# Altium PCB PCB Udemy.PcbDoc (continued)
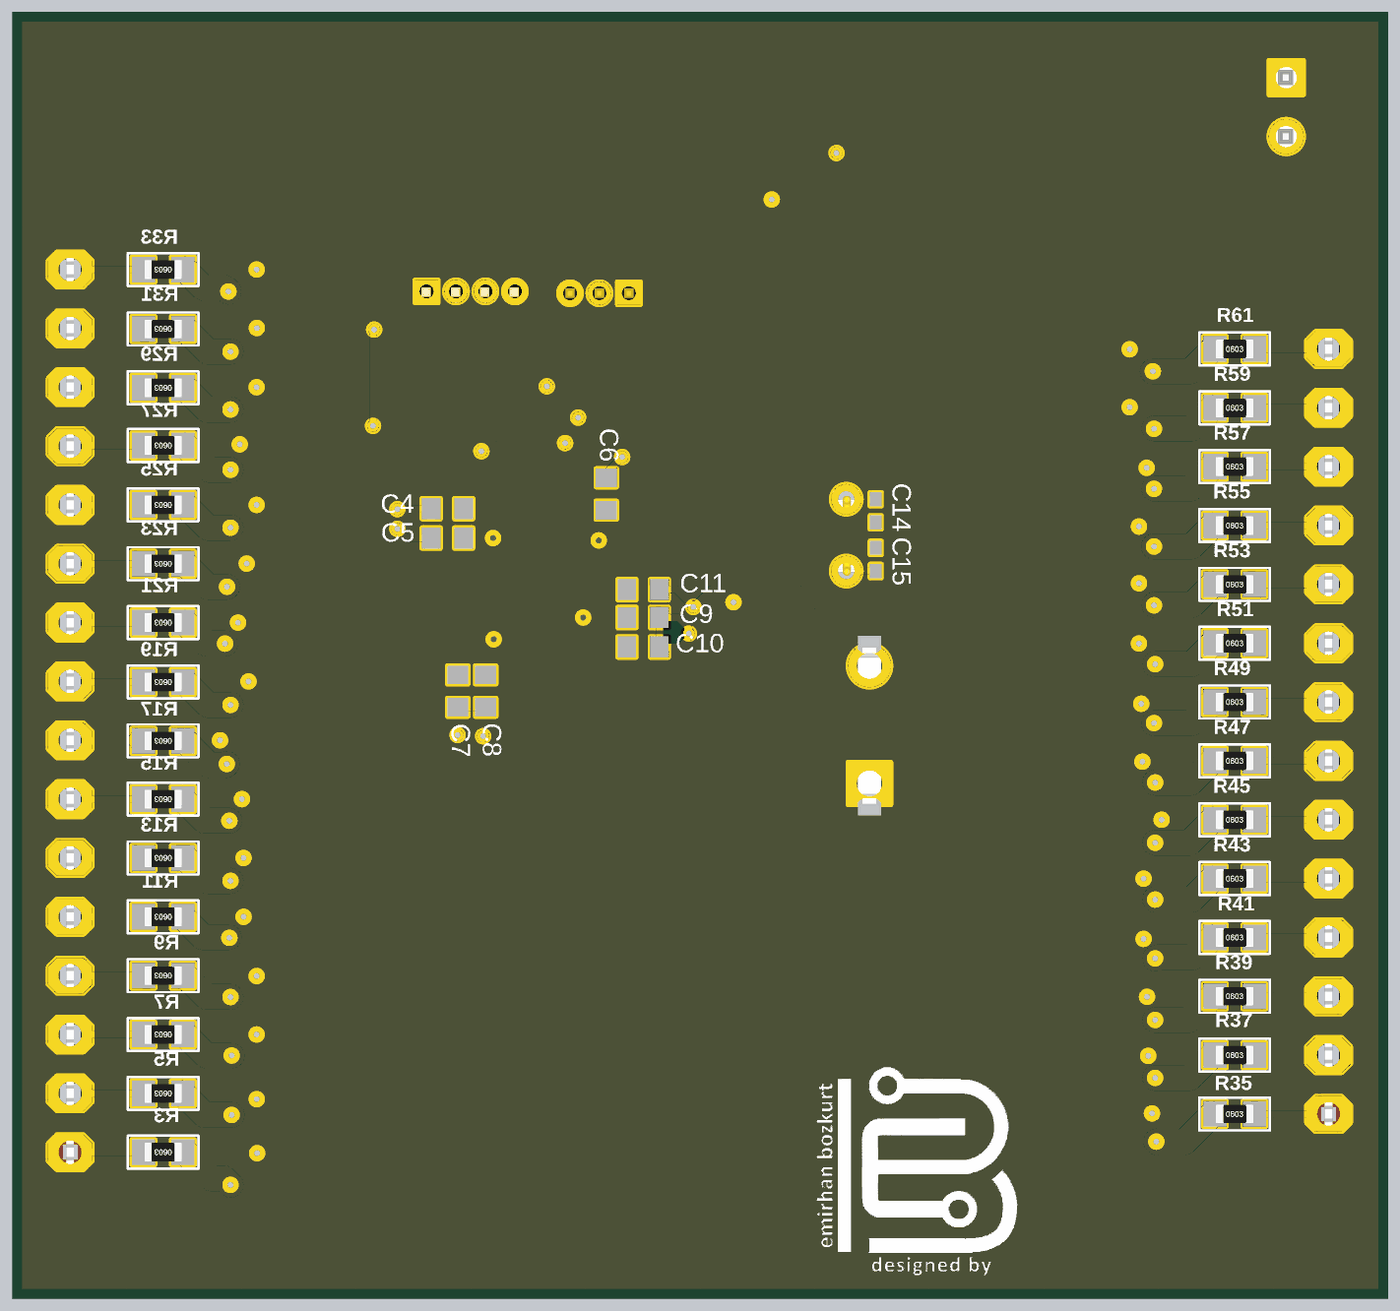
[diagram p5: 3D render of the assembled board from below, using the file's embedded part models]

## Layer stack, top to bottom
Top Solder: solder mask 0.4, Solder Resist, Dk 3.5
Top Layer: signal copper 1.4
Dielectric 2: prepreg 2.8, PP-006, Dk 4.1
Layer 1: signal copper 1.378
Dielectric5: dielectric 12.6, FR-4, Dk 4.8
Layer 2: signal copper 1.378
Dielectric4: dielectric 12.6, FR-4, Dk 4.8
GND Layer: plane copper 1.378, net GND
Dielectric 1: dielectric 12.6, FR-4, Dk 4.8
3.3V Layer: plane copper 1.378, net +3.3V
Dielectric 3: prepreg 2.8, PP-006, Dk 4.1
Bottom Layer: signal copper 1.4
Bottom Solder: solder mask 0.4, Solder Resist, Dk 3.5

## Board outline
0,233 0,2420 2337,2420 2337,233

## Design rules (kind name [scope] priority, off if disabled: settings)
Clearance Clearance_3 [InNamedPolygon('GND_L01_P005')] p1: gap=20 ignorepadtopadclearanceinfootprint=FALSE except(0: Arc-Hole Track-Hole SMDPad-Hole THPad-Hole Via-Hole Fill-Hole Poly-Hole Region-Hole Text-Hole)
Clearance Clearance_2 [InNamedPolygon('top')] p2: gap=10 ignorepadtopadclearanceinfootprint=FALSE except(0: Arc-Hole Track-Hole SMDPad-Hole THPad-Hole Via-Hole Fill-Hole Poly-Hole Region-Hole Text-Hole)
Clearance Clearance_1 [InNamedPolygon('top')] p3: gap=20 ignorepadtopadclearanceinfootprint=FALSE except(0: Arc-Hole Track-Hole SMDPad-Hole THPad-Hole Via-Hole Fill-Hole Poly-Hole Region-Hole Text-Hole)
Clearance [All] p4: gap=0.2 ignorepadtopadclearanceinfootprint=FALSE except(0: Arc-Hole Track-Hole SMDPad-Hole THPad-Hole Via-Hole Fill-Hole Poly-Hole Region-Hole Text-Hole)
ComponentClearance Ignore [InComponent('U2')] p1: gap=10 collisioncheckmode=3 verticalgap=0 showdistances=FALSE donotcheckwithout3dbody=TRUE
ComponentClearance ComponentClearance_1 [All] p2: gap=10 collisioncheckmode=3 verticalgap=10 showdistances=FALSE
MinimumSolderMaskSliver [All] p1: minsoldermaskwidth=0
PlaneClearance [All] p1: clearance=20
PlaneConnect [All] p1: planeconnectstyle=Direct reliefexpansion=20 reliefentries=4 reliefconductorwidth=10 reliefairgap=10
PolygonConnect [All] p1: connectstyle=Direct reliefconductorwidth=10 reliefentries=4 polygonreliefangle="90 Angle" airgapwidth=10
RoutingVias [All] p1: holewidth=10 width=20 viastyle="Through Hole" minholewidth=10 minwidth=20 maxholewidth=28 maxwidth=50
SilkToSilkClearance [All] p1: silktosilkclearance=0
SilkToSolderMaskClearance [IsPad] p1: minsilkscreentomaskgap=0 clearancetoexposedcopper=TRUE
SolderMaskExpansion [All] p1: expansion=4 istentingtop=FALSE
UnConnectedPin [All] p1 off:
Width [All] p1: maxlimit=43 minlimit=10 preferedwidth=10
24 further rules are at their usual default settings.

## Classes and differential pairs
component class "MCU Udemy": C4 C5 C6 C7 C8 C9 C10 C11 C12 C13 C14 C15 P2 P3 P4 P5 R1 R3 R4 R5 R6 R7 R8 R9 R10 R11 R12 R13 R14 R15 R16 R17 R18 R19 R20 R21 R22 R23 R24 R25 R26 R27 R28 R29 R30 R31 R32 R33 R34 R35 R36 R37 R38 R39 R40 R41 R42 R43 R44 R45 R46 R47 R48 R49 R50 R51 R52 R53 R54 R55 R56 R57 R58 R59 R60 R61 R62 S1 U2 Y Y1
component class "Power Supply Udemy": C1 C2 C3 D1 P1 R2 U1

## Components (designator, comment, footprint, x,y, rotation, side; value= is the part's Value field where it differs from the comment)
C1 "tantalum cap" C1206tancap 346,2261.15 r270 top value=100nF
C2 "tantalum cap" C1206tancap 436,2261.15 r270 top value=10uF
C3 "tantalum cap" C1206tancap 526,2261.15 r270 top value=100uF
C4 "Cap Semi_1" 1608[0603] 1597.98,1575.62 r0 bottom value=100nF
C5 "Cap Semi" 1608[0603] 1597.98,1525.62 r0 bottom value=100nF
C6 "Cap Semi" 1608[0603] 1328.13,1600.52 r90 bottom value=100nF
C7 "Cap Semi" 1608[0603] 1580.42,1265.62 r270 bottom value=100nF
C8 "Cap Semi" 1608[0603] 1532.98,1265.62 r270 bottom value=4.7uF
C9 "Cap Semi" 1608[0603] 1265.42,1390.62 r180 bottom value=10nF
C10 "Cap Semi" 1608[0603] 1265.42,1340.62 r180 bottom value=1uF
C11 "Cap Semi" 1608[0603] 1265.42,1438.06 r180 bottom value=100nF
C12 "Cap Semi" 0402 1061.17,1210.62 r180 top value=10pF
C13 "Cap Semi" 0402 1029.67,1433.06 r180 top value=10pF
C14 "Cap Semi" 0402 870.42,1571.96 r90 bottom value=10pF
C15 "Cap Semi" 0402 870.42,1489.28 r270 bottom value=10pF
D1 "LED" MY_LED_0805 1083,2184 r0 top
P1 "Battery Connection 9V" HDR1X2H3dbody 173,2308 r270 top
P2 "MHDR1X4" MHDR1X4body 1633.46,1944.88 r180 top
P3 "MHDR1X3" MHDR1X3body 1289.76,1941.7 r0 top
P4 "Header 16" MY_FE16 2239,1232 r90 top
P5 "Header 14" MY_FE14 101,1197 r90 top
R1 "Res3" J1-0603 1110.38,1168.18 r0 top value=10K
R2 "330R" MY_0805 1083,2284 r0 top
R3 "1K" MY_0603 2081,482 r0 bottom
R4 "1K" MY_0603 2081,480 r180 top
R5 "1K" MY_0603 2081,582 r0 bottom
R6 "1K" MY_0603 2081,582 r180 top
R7 "1K" MY_0603 2081,682 r0 bottom
R8 "1K" MY_0603 2081,682 r180 top
R9 "1K" MY_0603 2081,782 r0 bottom
R10 "1K" MY_0603 2081,782 r180 top
R11 "1K" MY_0603 2081,882 r0 bottom
R12 "1K" MY_0603 2081,882 r180 top
R13 "1K" MY_0603 2081,982 r0 bottom
R14 "1K" MY_0603 2081,982 r180 top
R15 "1K" MY_0603 2081,1082 r0 bottom
R16 "1K" MY_0603 2081,1082 r180 top
R17 "1K" MY_0603 2081,1181 r0 bottom
R18 "1K" MY_0603 2081,1182 r180 top
R19 "1K" MY_0603 2081,1281 r0 bottom
R20 "1K" MY_0603 2081,1282 r180 top
R21 "1K" MY_0603 2081,1382 r0 bottom
R22 "1K" MY_0603 2081,1382 r180 top
R23 "1K" MY_0603 2081,1482 r0 bottom
R24 "1K" MY_0603 2081,1482 r180 top
R25 "1K" MY_0603 2081,1582 r0 bottom
R26 "1K" MY_0603 2081,1582 r180 top
R27 "1K" MY_0603 2081,1683 r0 bottom
R28 "1K" MY_0603 2081,1683 r180 top
R29 "1K" MY_0603 2081,1781 r0 bottom
R30 "1K" MY_0603 2081,1782 r180 top
R31 "1K" MY_0603 2081,1881 r0 bottom
R32 "1K" MY_0603 2081,1882 r180 top
R33 "1K" MY_0603 2081,1982 r0 bottom
R34 "1K" MY_0603 2081,1982 r180 top
R35 "1K" MY_0603 260.6,547 r180 bottom
R36 "1K" MY_0603 262,548 r0 top
R37 "1K" MY_0603 260.6,647 r180 bottom
R38 "1K" MY_0603 260.6,647 r0 top
R39 "1K" MY_0603 260.6,747 r180 bottom
R40 "1K" MY_0603 260.6,747 r0 top
R41 "1K" MY_0603 260.6,847 r180 bottom
R42 "1K" MY_0603 260.6,847 r0 top
R43 "1K" MY_0603 260.6,947 r180 bottom
R44 "1K" MY_0603 260.6,947 r0 top
R45 "1K" MY_0603 260.6,1047 r180 bottom
R46 "1K" MY_0603 260.6,1047 r0 top
R47 "1K" MY_0603 260.6,1147 r180 bottom
R48 "1K" MY_0603 260.6,1147 r0 top
R49 "1K" MY_0603 260.6,1247 r180 bottom
R50 "1K" MY_0603 260.6,1247 r0 top
R51 "1K" MY_0603 260.6,1347 r180 bottom
R52 "1K" MY_0603 260.6,1347 r0 top
R53 "1K" MY_0603 260.6,1447 r180 bottom
R54 "1K" MY_0603 260.6,1447 r0 top
R55 "1K" MY_0603 260.6,1547 r180 bottom
R56 "1K" MY_0603 260.6,1547 r0 top
R57 "1K" MY_0603 260.6,1647 r180 bottom
R58 "1K" MY_0603 260.6,1645 r0 top
R59 "1K" MY_0603 260.6,1747 r180 bottom
R60 "1K" MY_0603 260.6,1747 r0 top
R61 "1K" MY_0603 260.6,1847 r180 bottom
R62 "1K" MY_0603 260.6,1847 r0 top
S1 "SW-PB" SPST-2_body 880.98,1208.62 r90 top
U1 "LM1117" LM1117 621.65,2181 r270 top
U2 "STM32F103C8T6" STM-LQFP48_N 1429.84,1430.63 r0 top
Y "ECS-80-12-33-JGN-TR" 8MHZCrystall 1045.42,1325.62 r90 top
Y1 "XTAL" 32768 920.42,1530.62 r0 top

## Footprints (in the part's own frame and the unit in brackets; to place one, negate y for a bottom-side part, rotate by r counter-clockwise, add the part's x,y. Pads: shape width x height; smd on the part's side, far side on the other; paste and mask are expansions set on the pad)
8MHZCrystall [mm]
  rect 1.3x1.1 smd: 1(-1.15,-0.9) 2(1.15,-0.9) 3(1.15,0.9) 4(-1.15,0.9)
  silkscreen extent -2.45,-1.7 0.27,1.25, body extent -0.95,-0.8 1.05,0.8, height 0.49
0402 [mm]
  rect 0.6x0.5 smd: 1(-0.5,0) 2(0.5,0)
  body extent -0.55,-0.3 0.55,0.3, height 1.3
1608[0603] [mm]
  rect 0.8x0.9 smd: 1(-0.7,0) 2(0.7,0)
  body extent -0.87,-0.48 0.87,0.48, height 1.3
32768 [mm]
  round 1.3 hole 0.7: 1(0,1.55) 2(0,-1.55)
  silkscreen extent -1.55,-1.19 1.55,1.17, body extent -1.63,-1.75 1.57,1.7, height 9.54
C1206tancap [mm]
  rect 1.1x1.7 smd: 1(-1.35,0) 2(1.35,0)
  silkscreen extent -0.4,-0.75 0.4,0.75, body extent -1.7,-0.9 1.7,0.9, height 1.8
HDR1X2H3dbody [mm]
  rect 1.5x1.5 hole 0.9: 1(0,0)
  round 1.5 hole 0.9: 2(2.54,0)
  silkscreen extent -1.27,-2.54 3.81,-1.27, body extent -1.27,-3.23 3.81,3.12, height 11.19
J1-0603 [mm]
  rect 0.7x0.9 smd: 1(-0.75,0) 2(0.75,0)
  silkscreen extent -0.2,-0.35 0.2,0.35, body extent -0.85,-0.48 0.85,0.48, height 0.9
LM1117 [mm]
  rect 0.95x2.15 smd: 0(2.3,0) 1(-2.3,0) 2(0,0)
  rect 3.25x2.15 smd: 2(0,5.8)
  silkscreen extent -3.35,1.05 3.35,4.75, body extent -3.25,-0.63 3.25,6.37, height 1.61
MHDR1X3body [mm]
  rect 1x1 hole 0.6: 1(0,0)
  round 1 hole 0.6: 2(1.27,0) 3(2.54,0)
  silkscreen extent -0.9,-0.9 3.44,0.9, body extent -0.64,-1.2 3.17,1.2, height 5
MHDR1X4body [mm]
  rect 1x1 hole 0.6: 1(0,0)
  round 1 hole 0.6: 2(1.27,0) 3(2.54,0) 4(3.81,0)
  silkscreen extent -0.9,-0.9 4.71,0.9, body extent -0.66,-1.22 4.42,1.28, height 4.61
MY_0603 [mm]
  rect 1x1.1 smd: 1(-0.85,0) 2(0.85,0)
  silkscreen extent -1.52,-0.71 1.52,0.71, body extent -0.8,-0.4 0.8,0.4, height 0.44
MY_0805 [mm]
  rect 1.3x1.6 smd: 1(-0.95,0) 2(0.95,0)
  silkscreen extent -1.8,-1.02 1.8,1.02, body extent -1,-0.62 1,0.63, height 0.59
MY_FE14 [mil]
  oct 60x75 hole 39.37: 1(-650,0) 2(-550,0) 3(-450,0) 4(-350,0) 5(-250,0) 6(-150,0) 7(-50,0) 8(50,0) 9(150,0) 10(250,0) 11(350,0) 12(450,0) 13(550,0) 14(650,0)
  silkscreen extent -700,-50 700,50, body extent -705,-49 705,49, height 335
MY_FE16 [mil]
  oct 60x75 hole 39.37: 1(-750,0) 2(-650,0) 3(-550,0) 4(-450,0) 5(-350,0) 6(-250,0) 7(-150,0) 8(-50,0) 9(50,0) 10(150,0) 11(250,0) 12(350,0) 13(450,0) 14(550,0) 15(650,0) 16(750,0)
  silkscreen extent -800,-50 800,50, body extent -805,-49 805,49, height 335
MY_LED_0805 [mm]
  rect 1.3x1.6 smd: A(0.95,-0.076) K(-0.95,-0.076)
  silkscreen extent -2.31,-1.09 1.8,0.94, body extent -1.06,-0.48 1.01,0.42, height 0.86
SPST-2_body [mm]
  rect 1.85x1.85 hole 1.1: 1(-2.54,0)
  round 1.85 hole 1.1: 2(2.54,0)
  silkscreen extent -4.89,-1.27 4.28,1.27, body extent -3.93,-1.75 3.83,1.75, height 5.25
STM-LQFP48_N [mm]
  oval 1.8x0.3 smd: 1(-4.05,2.75) 2(-4.05,2.25) 3(-4.05,1.75) 4(-4.05,1.25) 5(-4.05,0.75) 6(-4.05,0.25) 7(-4.05,-0.25) 8(-4.05,-0.75) 9(-4.05,-1.25) 10(-4.05,-1.75) 11(-4.05,-2.25) 12(-4.05,-2.75) 25(4.05,-2.75) 26(4.05,-2.25) 27(4.05,-1.75) 28(4.05,-1.25) 29(4.05,-0.75) 30(4.05,-0.25) 31(4.05,0.25) 32(4.05,0.75) 33(4.05,1.25) 34(4.05,1.75) 35(4.05,2.25) 36(4.05,2.75)
  oval 0.3x1.8 smd: 13(-2.75,-4.05) 14(-2.25,-4.05) 15(-1.75,-4.05) 16(-1.25,-4.05) 17(-0.75,-4.05) 18(-0.25,-4.05) 19(0.25,-4.05) 20(0.75,-4.05) 21(1.25,-4.05) 22(1.75,-4.05) 23(2.25,-4.05) 24(2.75,-4.05) 37(2.75,4.05) 38(2.25,4.05) 39(1.75,4.05) 40(1.25,4.05) 41(0.75,4.05) 42(0.25,4.05) 43(-0.25,4.05) 44(-0.75,4.05) 45(-1.25,4.05) 46(-1.75,4.05) 47(-2.25,4.05) 48(-2.75,4.05)
  silkscreen extent -4.17,-2.75 2.75,3.57, body extent -4.5,-4.49 4.5,4.51, height 1.56

## Part data
C1 C2 C3: library part "Cap Semi_6", "Capacitor (Semiconductor SIM Model)", LatestRevisionDate=29-May-2009, LatestRevisionNote="IPC-7351 Footprint Added.", PackageDescription="Chip Capacitor", PackageReference=C1206, Published=8-Jun-2000, Publisher="Altium Limited"
C4 C5 C6 C7 C8 C9 C10 C11 C12 C13 C14 C15: "Capacitor (Semiconductor SIM Model)", LatestRevisionDate=29-May-2009, LatestRevisionNote="IPC-7351 Footprint Added.", PackageDescription="Chip Capacitor", PackageReference=C1206, Published=8-Jun-2000, Publisher="Altium Limited"
D1: "Typical INFRARED GaAs LED", ASiD Part Number=LED-AS
P1: library part "Header 2H", "Header, 2-Pin, Right Angle", Voltage=9V, LatestRevisionDate=17-Jul-2002, LatestRevisionNote="Re-released for DXP Platform.", Publisher="Altium Limited"
P2: "Header, 4-Pin", LatestRevisionDate=17-Jul-2002, LatestRevisionNote="Re-released for DXP Platform.", Publisher="Altium Limited"
P3: "Header, 3-Pin", LatestRevisionDate=17-Jul-2002, LatestRevisionNote="Re-released for DXP Platform.", Publisher="Altium Limited"
P4: "Header, 16-Pin", ASiD Part Number="Header 16-AS"
P5: "Header, 14-Pin", ASiD Part Number="Header 14-AS"
R1: "Resistor", LatestRevisionDate=29-May-2009, LatestRevisionNote="IPC-7351 Footprint Added.", PackageDescription="Chip Resistor", PackageReference=J1-0603, Published=8-Jun-2000, Publisher="Altium Limited"
R2 R3 R4 R5 R6 R7 R8 R9 R10 R11 R12 R13 R14 R15 R16 R17 R18 R19 R20 R21 R22 R23 R24 R25 R26 R27 R28 R29 R30 R31 R32 R33 R34 R35 R36 R37 R38 R39 R40 R41 R42 R43 R44 R45 R46 R47 R48 R49 R50 R51 R52 R53 R54 R55 R56 R57 R58 R59 R60 R61 R62: library part Res, "Standard resistor", ASiD Part Number=Res-AS
S1: "Switch", LatestRevisionDate=17-Jul-2002, LatestRevisionNote="Re-released for DXP Platform.", PackageDescription="Switch; 2 Leads", PackageReference=SPST-2, Published=24-Mar-1999, Publisher="Altium Limited"
U1: "The LM1117 is a low dropout voltage regulator with a / dropout of 1.2 V at 800 mA of load current. / The LM1117 is available in an adjustable version, / which can set the output voltage from 1.25 V to 13.8 V / with only two external resistors. In addition, the device / is available in five fixed voltages, 1.8 V, 2.5 V, 3.3 V, / and 5 V. / The LM1117 offers current limiting and thermal / shutdown. The circuit includes a Zener trimmed bandgap reference to assure output voltage accuracy to / within ±1%. / A minimum of 10-µF tantalum capacitor is required / at the output to improve the transient response and / stability.", ComponentLink1Description=datasheet, ComponentLink1URL=https://www.ti.com/lit/ds/symlink/lm1117.pdf?ts=1693661767040&ref_url=https%253A%252F%252Fwww.ti.com%252Fproduct%252FLM1117%253Futm_source%253Dgoogle%2526utm_medium%253Dcpc%2526utm_campaign%253Dapp-null-null-GPN_EN-cpc-pf-google-wwe%2526utm_content%253DLM1117%2526ds_k%253DLM1117%2BDatasheet%2526DCM%253Dyes%2526gclid%253DCj0KCQjwusunBhCYARIsAFBsUP-EfZQ_4w22SCOHjBNPWV0Us_SkAtT2YC_2xqzBz3rUpggmxNL9StEaAur4EALw_wcB%2526gclsrc%253Daw.ds
U2: "ARM Cortex-M3 32-bit MCU, 64 KB Flash, 20 KB Internal RAM, 37 I/Os, 48-pin LQFP, -40 to 85 degC, Tray", Operating Frequency(F) (Processor speed) (MHz)=72, Supplier Part Number 1=497-6063-ND, Supply Voltage(Vcc) min (V)=2, I/Os (High Current)=37, A/D Converter="2x12-bit (10 Channel)", ComponentLink1Description="Manufacturer URL", ComponentLink1URL=http://www.st.com/web/en/home.html, ComponentLink2Description=Datasheet, ComponentLink2URL=http://www.st.com/st-web-ui/static/active/en/resource/technical/document/datasheet/CD00161566.pdf, ComponentLink3Description="Package Specification", ComponentLink3URL=http://www.st.com/st-web-ui/static/active/en/resource/technical/document/datasheet/DM00058181.pdf, Core="ARM Cortex-M3", DatasheetVersion="Rev. 16", FLASH Size (Prog) (kB)=64, Mounting Technology="Surface Mount", PackageDescription="48-Pin Low Profile Quad Flat Package, 7 x 7 mm Body, 0.5 mm Pitch", PackageReference=LQFP48, PackageVersion="Rev. 6, 06/2013", Packing=Tray, PartNumber=STM32F103C8T6, Supplier 1=Digi-Key, Supplier 2=Farnell, Supplier 3=Newark, Supplier 4=Newark, Supplier 5=Mouser, Supplier Part Number 2=1447637, Supplier Part Number 3=59M2182, Supplier Part Number 4=57P1222, Supplier Part Number 5=511-STM32F103C8T6, Internal RAM Size (kB)=20
Y: "8MHz Â±20ppm Crystal 12pF 400 Ohms 4-SMD, No Lead", Package="SMD-4 ECS International", Availability=Warning, BuyPart=https://www.snapeda.com/parts/ECS-80-12-33-JGN-TR/ECS%20Inc./view-part/4477300/?ref=eda, MF="ECS Inc.", Mouser-Purchase-URL=https://snapeda.com/shop?store=Mouser&id=4477300, MP=ECS-80-12-33-JGN-TR, Price=None, SnapEDA_Link=https://www.snapeda.com/parts/ECS-80-12-33-JGN-TR/ECS%20Inc./view-part/4477300/?ref=snap
Y1: "Crystal Oscillator", LatestRevisionDate=17-Jul-2002, LatestRevisionNote="Re-released for DXP Platform.", PackageDescription="Crystal, Thru-Hole; 2 Leads; Body 3.1 x 8.2 mm (Dia.xH)", PackageReference=R38, Published=8-Jun-2000, Publisher="Altium Limited"

## Via types
v1: diameter 20, hole 10, Top Layer to Bottom Layer, 80 vias

## Nets (pads, with @x,y where several pads share a name; then routed paths per layer and width w, separated by ;. In a path a pad name is that pad's centre, name@x,y a point inside that pad or via, vN(x,y) a via of type N, cw(c..) or ccw(c..) an arc to the next point about the centre after c; other vN are vias at no path point)
"32kHz 01": C14.2 U2.3 Y1.1 | length 438.1
  Top Layer w11.81: Y1.1 1046.44,1591.65 1138.57,1499.52 U2.3
  Bottom Layer w11.81: C14.2 Y1.1
"32kHz 02": C15.2 U2.4 Y1.2 | length 513.2
  Top Layer w11.81: Y1.2 920.42,1523.69 969.91,1573.18 1039.72,1573.18 1133.06,1479.83 U2.4
  Bottom Layer w11.81: C15.2 Y1.2
+3.3V: C3.2 C4.2 C5.2 C6.2 C7.2 C8.2 C9.2 C10.2 P2.1 P3.1 R2.1 R3.1 R5.1 R7.1 R9.1 R11.1 R13.1 R15.1 R17.1 R19.1 R21.1 R23.1 R25.1 R27.1 R29.1 R31.1 R33.1 R35.1 R37.1 R39.1 R41.1 R43.1 R45.1 R47.1 R49.1 R51.1 R53.1 R55.1 R57.1 R59.1 R61.1 U1.2 U2.9 U2.24 U2.36 U2.48 | length 4530.3
  Top Layer w11.81: v1(1187.78,1363.41) 1205.79,1381.42 U2.9 ; v1(1301.18,1663.39) 1321.57,1642.99 U2.48 ; v1(1537.4,1188.98) 1538.11,1189.68 U2.24 ; U2.36 1680.63,1538.9 v1(1683.07,1541.34)
  Top Layer w37.4: C3.2 553,2181 621.65,2181 U1.2@850,2181
  Top Layer w43: U1.2@850,2181 936,2181 v1(937,2180) 937,2248 973,2284 R2.1
  Bottom Layer w11.81: v1(1187.78,1363.41) v1@1188.98,1363.41 ; v1(1301.18,1663.39) 1328.13,1636.43 C6.2 ; C8.2 C7.2 1580.42,1191.24 v1(1580.71,1190.94) ; v1(1683.07,1541.34) 1667.35,1525.62 C5.2 C4.2 1682.25,1575.62 v1(1683.07,1574.8) ; v1@1188.98,1363.41 1188.98,1374.02 1205.58,1390.62 C9.2 C10.2 1202.68,1340.62 1188.98,1354.33 v1@1188.98,1363.41
  Bottom Layer w43: R35.1@298,547 346,499 392.7,499 v1(393.7,500) ; R37.1@298,647 336.73,608.27 v1(395.67,608.27) ; R39.1@298,747 338.31,706.69 v1(395.67,706.69) ; R41.1@298,847 332.01,812.99 391.48,812.99 393.16,811.31 v1(395.67,811.31) ; R43.1@298,947 333.68,911.31 v1(395.67,911.31) ; R45.1@298,1047 337.13,1007.87 v1(395.67,1007.87) ; R47.1@298,1147 334.76,1110.24 v1(395.67,1110.24) ; R49.1@298,1247 333.68,1211.31 v1(397.64,1211.31) ; R51.1@298,1347 333.68,1311.31 v1(395.67,1311.31) ; R53.1@298,1447 332.65,1412.35 v1@396.6,1412.35 ; R55.1@298,1547 333.44,1511.56 397.39,1511.56 v1(397.64,1511.31) ; R57.1@298,1647 335.22,1609.78 v1@397.18,1609.78 ; R59.1@298,1747 333.04,1711.96 v1@397,1711.96 ; R61.1@298,1847 335.94,1809.06 v1(399.61,1809.06) ; v1(1964.57,545.28) 2010.81,545.28 R5.1 ; v1(1964.57,646.31) 2007.91,646.31 R7.1@2043.6,682 ; v1(1966.54,426.5) 1977.65,437.61 1999.21,437.61 R3.1@2043.6,482 ; v1(1966.54,745.72) 1966.88,746.06 2007.66,746.06 R9.1@2043.6,782 ; v1(1966.54,943.17) 1966.79,942.91 2004.51,942.91 R13.1@2043.6,982 ; v1(1966.54,1242.13) 2004.72,1242.13 R19.1@2043.6,1281 ; v1(1966.54,1543.31) 2004.91,1543.31 R25.1@2043.6,1582 ; v1(1966.54,1641.73) 2002.33,1641.73 R27.1@2043.6,1683 ; v1(1966.54,1744.09) 2006.69,1744.09 R29.1@2043.6,1781 ; v1(1966.54,1842.52) 2005.12,1842.52 R31.1@2043.6,1881 ; v1(1968.5,1045.28) 2010.81,1045.28 R15.1 ; v1@1969.56,847.37 2012.91,847.37 R11.1 ; v1(1970.14,1944.68) 1976.25,1950.79 2012.39,1950.79 R33.1@2043.6,1982 ; v1(1972.44,1442.91) 2004.51,1442.91 R23.1@2043.6,1482 ; v1(1972.79,1141.73) 1974.76,1139.76 2002.36,1139.76 R17.1@2043.6,1181 ; v1(1975.8,1346.32) 2007.92,1346.32 R21.1@2043.6,1382
  other v1: 1968.5,846.31 397.64,1411.31 397.64,1609.31 397.64,1711.31
+9V: C1.2 C2.2 P1.2 U1.0 | length 497.4
  Top Layer w37.4: P1.2 C1.2 C2.2 467.83,2176.17 467.83,2176.11 482.3,2161.65 482.35,2161.65 553.55,2090.45 U1.0
BOOT0: P3.2 U2.44 | length 386
  Top Layer w11.81: P3.2@1332.87,1953.75 P3.2@1339.76,1946.85 ; P3.2 1339.76,1766.54 v1(1375.98,1730.32) ; v1(1398.09,1687.01) 1399.97,1685.13 U2.44@1399.97,1590.42
  Bottom Layer w11.81: v1(1375.98,1730.32) 1398.09,1708.2 v1(1398.09,1687.01)
GND: C1.1 C2.1 C3.1 C4.1 C5.1 C6.1 C7.1 C8.1 C9.1 C10.1 C11.1 C12.2 C13.1 C14.1 C15.1 D1.K P1.1 P2.4 P3.3 R4.2 R6.2 R8.2 R10.2 R12.2 R14.2 R16.2 R18.2 R20.2 R22.2 R24.2 R26.2 R28.2 R30.2 R32.2 R34.2 R36.2 R38.2 R40.2 R42.2 R44.2 R46.2 R48.2 R50.2 R52.2 R54.2 R56.2 R58.2 R60.2 R62.2 S1.1 U1.1 U2.8 U2.23 U2.35 U2.47 Y.2 Y.4 | length 5087.2
  Top Layer w11.8: Y.4 1009.98,1242.12 C12.2 ; U2.8 1356.94,1401.09 v1(1367.42,1390.62) ; U2.23 1518.41,1352.61 v1(1519.42,1353.62)
  Top Layer w11.81: v1(1520.42,1525.62) 1526.83,1519.2 U2.35
  Top Layer w11.9: Y.4 1080.85,1351.21 Y.2@1080.85,1385.5 ; C13.1 1069.54,1433.06 1080.85,1421.75 Y.2@1080.85,1385.5 ; v1(1111.98,1416.62) Y.2@1080.85,1385.5 ; v1(1340.98,1521.62) 1340.98,1589.8 U2.47@1341.24,1590.07
  Top Layer w39.37: P1.1 179.3,2314.3 C1.1 C2.1 C3.1 578.91,2314.3 U1.1 ; R38.2 406.15,647 v1(407.48,645.67) ; R40.2 408.51,747 v1(409.45,746.06) ; R42.2 412.84,847 v1(415.35,844.49) ; R44.2 415.2,947 v1(415.35,946.85) ; R46.2 v1(384.7,1047) ; R36.2 v1(401.06,548) ; R48.2@298,1147 415.99,1147 v1(417.32,1145.67) ; R50.2@298,1247 416.39,1247 v1(419.29,1244.09) ; R52.2@298,1347 422.68,1347 v1(423.23,1346.46) ; R54.2@298,1447 421.41,1447 v1(423.23,1448.82) ; R56.2@298,1547 421.5,1547 v1(423.23,1545.28) ; R58.2@298,1645 v1(410.13,1645) ; R60.2@298,1747 437.94,1747 v1(438.98,1748.03) ; R62.2@298,1847 438.43,1847 v1(438.98,1846.46) ; D1.K 1045.6,2102.4 v1(1047,2101) ; v1(1921.26,480.32) 1921.57,480 R4.2@2043.6,480 ; v1(1921.78,1882.63) 1922.41,1882 R32.2@2043.6,1882 ; v1(1921.99,572.11) 1931.88,582 R6.2 ; v1(1922.16,682) R8.2@2043.6,682 ; v1(1922.16,781.4) 1984.55,781.4 1985.15,782 R10.2 ; v1(1922.16,1582) 1924.97,1579.19 1984.85,1579.19 1987.66,1582 R26.2 ; v1(1922.16,1782) R30.2@2043.6,1782 ; v1(1922.16,1982) R34.2@2043.6,1982 ; v1(1935.9,1282) R20.2 ; v1(1938.98,1482.28) 1939.26,1482 R24.2@2043.6,1482 ; v1(1944.34,882) R12.2@2043.6,882 ; v1(1944.34,982) R14.2@2043.6,982 ; v1(1947.1,1082) R16.2@2043.6,1082 ; v1(1950.86,1684.97) 1952.83,1683 R28.2 ; v1(1953.81,1382) R22.2 ; v1(1984.35,1182) R18.2@2043.6,1182
  Bottom Layer w11.81: C10.1 C11.1 ; C9.1@1293.98,1389.62 1294.98,1390.62 v1(1367.42,1390.62) ; v1(1519.42,1353.62) 1519.42,1306.27 1532.51,1293.18 C7.1
  Bottom Layer w11.9: C6.1 1328.13,1534.46 v1(1340.98,1521.62)
  Bottom Layer w32: v1(1520.42,1525.62) C5.1 C4.1
IN/OUT: C12.1 R1.1 Y.1 | length 112.2
  Top Layer w16: R1.1 C12.1
  Top Layer w19.68: C12.1 Y.1
NetD1_A: D1.A R2.2 | length 103
  Top Layer w43: D1.A R2.2
NetR1_2: R1.2 U2.6 | length 403.6
  Top Layer w11.81: R1.2 1119.91,1188.18 1119.91,1393.57 1166.8,1440.46 U2.6
NRST: C11.2 S1.2 U2.7 | length 538
  Top Layer w11.81: v1(1180.13,1408.52) 1192.39,1420.78 U2.7
  Bottom Layer w11.81: S1.2 880.98,1321.06 998.44,1438.53 1150.13,1438.53 v1(1180.13,1408.52) 1209.68,1438.06 C11.2
OUT/IN: C13.2 U2.5 Y.3 | length 333.8
  Top Layer w11.81: C13.2 1037.07,1460.15 U2.5
  Top Layer w16: Y.3 C13.2
PA0: P5.13 R59.2 R60.1 U2.10 | length 2987.4
  Top Layer w11.81: P5.13 R60.1 295.57,1678.56 451.36,1678.56 629.92,1500 629.92,720.47 757.87,592.52 1112.61,592.52 1250,729.91 1250,1222.44 1190.85,1281.59 1190.85,1335.5 1217.08,1361.73 U2.10
  Bottom Layer w11.81: P5.13 R59.2
PA1: P5.12 R57.2 R58.1 U2.11 | length 2928.3
  Top Layer w11.81: P5.12 103,1645 R58.1 291.57,1580.56 476.53,1580.56 612.11,1444.98 612.11,712.41 749.81,574.71 1119.98,574.71 1271.75,726.47 1271.75,1225.88 1208.66,1288.97 1208.66,1328.12 1222.59,1342.05 U2.11
  Bottom Layer w11.81: P5.12 R57.2
PA2: P5.11 R55.2 R56.1 U2.12 | length 2832.3
  Top Layer w11.81: P5.11 R56.1 228.19,1547 285.78,1489.41 449.57,1489.41 594.3,1344.68 594.3,705.03 742.44,556.9 1129.73,556.9 1289.56,716.72 1289.56,1233.26 1228.09,1294.73 1228.09,1310.76 1239.68,1322.36 U2.12
  Bottom Layer w11.81: P5.11 R55.2
PA3: P5.10 R53.2 R54.1 U2.13 | length 2676.5
  Top Layer w11.81: P5.10 R54.1 284.72,1389.41 443.27,1389.41 576.49,1256.19 576.49,697.66 735.06,539.09 1141.45,539.09 1321.57,719.21 U2.13
  Bottom Layer w11.81: P5.10 R53.2
PA4: P5.9 R51.2 R52.1 U2.14 | length 2639.2
  Top Layer w11.81: P5.9 R52.1@223.2,1347 ; R52.1 R52.1@223.2,1347 ; U2.14 1341.26,708.52 1154.01,521.28 727.68,521.28 558.68,690.28 558.68,1179.51 448.78,1289.41 280.79,1289.41 R52.1@223.2,1347
  Bottom Layer w11.81: P5.9 R51.2
PA5: P5.8 R49.2 R50.1 U2.15 | length 2588.6
  Top Layer w11.81: P5.8 R50.1 293.57,1180.56 459.2,1180.56 540.87,1098.9 540.87,682.9 720.3,503.46 1161.39,503.46 1360.94,703.02 U2.15
  Bottom Layer w11.81: P5.8 R49.2
PA6: P5.7 R47.2 R48.1 U2.16 | length 2503.9
  Top Layer w11.81: P5.7 R48.1 293.57,1080.56 395.82,1080.56 521.65,954.72 521.65,676.93 712.93,485.65 1168.77,485.65 1380.63,697.52 U2.16
  Bottom Layer w11.81: P5.7 R47.2
PA7: P5.6 R45.2 R46.1 U2.17 | length 2474.5
  Top Layer w11.81: P5.6 223.2,1047 289.64,980.56 426.92,980.56 503.84,903.64 503.84,669.55 705.55,467.84 1176.14,467.84 1400.31,692.01 U2.17
  Bottom Layer w11.81: P5.6 R45.2
PA8: P4.5 R11.2 R12.1 U2.29 | length 1125.8
  Top Layer w11.81: U2.29 1694.15,1401.1 1881.98,1213.27 1881.98,980.22 1940.95,921.26 2075.2,921.26 R12.1 P4.5
  Bottom Layer w11.81: R11.2 P4.5
PA9: P4.6 R13.2 R14.1 U2.30 | length 1046.2
  Top Layer w11.81: U2.30 1699.65,1420.79 1899.8,1220.64 1899.8,1066.74 1944.88,1021.65 2074.81,1021.65 R14.1 P4.6
  Bottom Layer w11.81: R13.2 P4.6
PA10: P4.7 R15.2 R16.1 U2.31 | length 960.8
  Top Layer w11.81: U2.31 1705.16,1440.47 1917.61,1228.02 1917.61,1163.1 1965.15,1115.56 2022.92,1115.56 2072.15,1115.56 2105.71,1082 R16.1 P4.7
  Bottom Layer w11.81: R15.2 P4.7
PA11: P4.8 R17.2 R18.1 U2.32 | length 890.9
  Top Layer w11.81: U2.32 1713.07,1460.16 1862.2,1311.02 1956.69,1216.54 2079.93,1216.54 R18.1 P4.8
  Bottom Layer w11.81: R17.2 P4.8@2239,1181
  Bottom Layer w39.37: R17.2@2118.4,1181 R17.2@2119.4,1182
PA12: P4.9 R19.2 R20.1 U2.33 | length 857.6
  Top Layer w11.81: U2.33 1720.95,1479.84 1883.86,1316.93 2079.54,1316.93 R20.1 P4.9
  Bottom Layer w11.81: R19.2 P4.9@2239,1281
  Bottom Layer w39.37: P4.9@2238,1281 P4.9
PA14: P4.10 R21.2 R22.1 U2.38 | length 1215.4
  Top Layer w11.81: U2.38 1518.43,1682.33 1574.28,1738.19 1816.93,1738.19 1870.08,1685.04 1870.08,1501.97 1956.69,1415.35 2022.71,1415.35 2022.92,1415.56 2072.15,1415.56 2072.36,1415.35 2081.11,1415.35 R22.1 P4.10
  Bottom Layer w11.81: R21.2 P4.10
PB0: P5.5 R43.2 R44.1 U2.18 | length 2426.7
  Top Layer w11.81: P5.5 223.2,947 285.74,884.46 422.63,884.46 486.03,821.06 486.03,662.17 698.17,450.03 1183.52,450.03 1420,686.51 U2.18
  Bottom Layer w11.81: P5.5 R43.2
PB1: P5.4 R41.2 R42.1 U2.19 | length 2375
  Top Layer w11.81: P5.4 R42.1 293.57,780.56 420.23,780.56 468.22,732.57 468.22,654.79 690.79,432.22 1190.9,432.22 1439.68,681.01 U2.19@1439.68,1270.82
  Bottom Layer w11.81: P5.4 R41.2
PB2: P5.3 R39.2 R40.1 U2.20 | length 2326.1
  Top Layer w11.81: P5.3 R40.1 293.57,680.56 417.27,680.56 683.42,414.41 1198.28,414.41 1459.37,675.5 U2.20
  Bottom Layer w11.81: P5.3 R39.2
PB3: P4.11 R23.2 R24.1 U2.39 | length 1176.8
  Top Layer w11.81: U2.39 1498.74,1687.83 1568.78,1757.87 1822.83,1757.87 1889.76,1690.94 1889.76,1569.72 1943.92,1515.56 2080.91,1515.56 R24.1 P4.11
  Bottom Layer w11.81: R23.2 P4.11
PB4: P4.12 R25.2 R26.1 U2.40 | length 1134.8
  Top Layer w11.81: U2.40 1479.05,1693.34 1563.28,1777.56 1828.74,1777.56 1917.32,1688.98 1917.32,1635.83 1937.59,1615.56 2080.91,1615.56 R26.1 P4.12
  Bottom Layer w11.81: R25.2 P4.12
PB5: P4.13 R27.2 R28.1 U2.41 | length 1101.4
  Top Layer w11.81: U2.41 1459.37,1653.6 1459.37,1698.84 1557.77,1797.24 1838.58,1797.24 1919.27,1716.56 2072.15,1716.56 ; 2072.18,1716.54 2080.93,1716.54 R28.1 2238,1683 P4.13
  Bottom Layer w11.81: R27.2 P4.13@2239,1683
PB6: P4.14 R29.2 R30.1 U2.42 | length 1100.4
  Top Layer w11.81: U2.42 1439.68,1659.11 1439.68,1704.34 1550.9,1815.56 2080.41,1815.56 2112.47,1783.5 2112.47,1782 R30.1 P4.14
  Bottom Layer w11.81: R29.2 P4.14@2239,1781
  Bottom Layer w39.37: P4.14@2238,1781 P4.14
PB7: P4.15 R31.2 R32.1 U2.43 | length 1163.8
  Top Layer w11.81: U2.43 1420,1664.61 1420,1709.85 1543.52,1833.37 1754.63,1833.37 1836.82,1915.56 2072.15,1915.56 2105.71,1882 R32.1 P4.15
  Bottom Layer w11.81: R31.2 P4.15@2239,1881
  Bottom Layer w39.37: P4.15@2238,1881 P4.15
PB8: P4.16 R33.2 R34.1 U2.45 | length 1251.4
  Top Layer w11.81: U2.45 1380.63,1673.49 1376.19,1677.93 1376.19,1696.08 1531.29,1851.18 1744.88,1851.18 1921.26,2027.56 2068.91,2027.56 2082.69,2013.78 R34.1 P4.16
  Bottom Layer w11.81: R33.2 P4.16
PB9: P5.14 R61.2 R62.1 U2.46 | length 1533.5
  Top Layer w11.81: P5.14 R62.1 293.57,1780.56 1240.5,1780.56 1354.33,1666.73 1360.94,1660.12 U2.46
  Bottom Layer w11.81: P5.14 R61.2
PB10: P5.2 R37.2 R38.1 U2.21 | length 2322.1
  Top Layer w11.81: P5.2 R38.1@221.2,647 ; R38.1 292.57,581.56 489.31,581.56 674.27,396.6 1205.65,396.6 1479.05,670 U2.21
  Top Layer w39.37: R38.1@221.2,647 R38.1@223.2,645
  Bottom Layer w11.81: P5.2 R37.2
  Bottom Layer w39.37: P5.2 P5.2@103,645
PB11: P5.1 R35.2 R36.1 U2.22 | length 2326.4
  Top Layer w11.81: P5.1 223.6,547 224.6,548 400.55,372.05 1208.66,372.05 1498.74,662.13 U2.22
  Bottom Layer w11.81: P5.1 R35.2
PB12: P4.1 R3.2 R4.1 U2.25 | length 1456.1
  Top Layer w11.81: U2.25 1671.73,1322.36 1809.06,1185.04 1809.06,620.08 1915.35,513.78 2080.69,513.78 R4.1 2114.46,482 P4.1
  Bottom Layer w11.81: R3.2 P4.1
PB13: P4.2 R5.2 R6.1 U2.26 | length 1362.4
  Top Layer w11.81: U2.26 1677.64,1342.05 1826.87,1192.82 1826.87,726.28 1933.07,620.08 2076.39,620.08 R6.1 P4.2
  Bottom Layer w11.81: R5.2 P4.2
PB14: P4.3 R7.2 R8.1 U2.27 | length 1293.1
  Top Layer w11.81: U2.27 1683.14,1361.73 1844.68,1200.2 1844.68,795.09 1921.26,718.5 2077.96,718.5 R8.1 P4.3
  Bottom Layer w11.81: R7.2 P4.3
PB15: P4.4 R9.2 R10.1 U2.28 | length 1198.5
  Top Layer w11.81: U2.28 1688.64,1381.42 1864.17,1205.89 1864.17,905.51 1950.79,818.9 2077.57,818.9 R10.1 P4.4
  Bottom Layer w11.81: R9.2 P4.4
SWCLK: P2.3 U2.37 | length 450.6
  Top Layer w11.81: v1(1429.13,1783.46) 1532.68,1887.01 1532.68,1944.09 P2.3 ; U2.37 1538.11,1674.49 1537.4,1675.2 1538.39,1675.2 v1(1540.33,1673.26)
  Bottom Layer w11.81: v1(1429.13,1783.46) 1430.12,1783.46 v1(1540.33,1673.26)
SWDIO: P2.2 U2.34 | length 681.3
  Top Layer w11.81: P2.2 1583.46,1922.35 1625.89,1879.92 v1(1722.44,1879.92) ; U2.34 1700.32,1499.53 1724.41,1523.62 v1(1724.41,1716.28)
  Bottom Layer w11.81: v1(1722.44,1879.92) 1724.41,1877.95 v1(1724.41,1716.28)
pads on no net: U2.1 U2.2

## Polygon pours and split planes (outlines as drawn)
GND on Bottom Layer "GND_L06_P004" (solid, remove dead copper, pour order 4): 0,233 0,2420 2337,2420 2337,233
GND on Top Layer "GND_L01_P005" (solid, remove dead copper, pour order 5): 0,233 0,2420 2337,2420 2337,233
+3.3V on 3.3V Layer (split plane): 2316.9,253.1 20.1,253.1 20.1,2399.9 2316.9,2399.9
GND on GND Layer (split plane): 2316.9,253.1 20.1,253.1 20.1,2399.9 2316.9,2399.9

## Keep-outs
Keep-Out Layer:
  the board outline again, w32

## Silkscreen, mask and mechanical layers (free items; w line width, h text height)
Top Overlay:
  text "GND" at 193.07,2344.94 h60
  text "+9V" at 204.88,2144.04 h60
  text "GND" at 1508.51,2005.35 h60 r90
  text "SWCLK" at 1558.51,2005.35 h60 r90
  text "SWDIO" at 1608.67,2005.35 h60 r90
  text "+3.3V" at 1665.02,2005.35 h60 r90
  text "PB8" at 1894.55,1968.84 h60
  text "PB7" at 1895.22,1863.32 h60
  text "PB9" at 358.43,1825.14 h60
  text "GND" at 1407.77,1775.23 h60 r90
  text "PB6" at 1894.66,1762.26 h60
  text "+3.3V" at 1307.83,1736.38 h60 r90
  text "PA0" at 358.43,1728.68 h60
  text "BOOT0" at 1357.83,1717.95 h60 r90
  text "PB5" at 1895.27,1666.47 h60
  text "PA1" at 358.43,1627.04 h60
  text "PB4" at 1894,1564.11 h60
  text "PA2" at 358.43,1526.04 h60
  text "PB3" at 1895.33,1462.93 h60
  text "PA3" at 358.43,1429.47 h60
  text "PA14" at 1862.42,1367.2 h60
  text "PA4" at 358.43,1329.85 h60
  text "PA12" at 1862.86,1266.2 h60
  text "PA5" at 358.43,1227.49 h60
  text "PA11" at 1864.42,1164.44 h60
  text "PA6" at 358.43,1128.4 h60
  text "PA10" at 1863.31,1065.3 h60
  text "PA7" at 358.43,1026.7 h60
  text "PA9" at 1895.44,962.93 h60
  text "PB0" at 358.43,931.44 h60
  text "PA8" at 1894.61,868.45 h60
  text "PB1" at 358.43,825.86 h60
  text "PB15" at 1863.64,762.87 h60
  text "PB2" at 358.43,728.79 h60
  text "PB14" at 1862.36,666.41 h60
  text "PB10" at 358.43,628.29 h60
  text "PB13" at 1863.69,565.3 h60
  text "PB11" at 358.43,524.68 h60
  text "PB12" at 1862.81,461.08 h60
Bottom Overlay:
  drawing of 29 lines, arcs and shapes, not listed

## Dimensions
0,233 to 2337,233 on Layer 1